# Altium PCB PCB1.PcbDoc (part 2 of 3)
Units mm, origin at the board's own origin, x right, y up, seen from the top; angles counter-clockwise.
Board outline 165.85 x 112.86 mm, 4 copper layers (Top Layer, Layer 1, Layer 2, Bottom Layer), stack 0.603 mm thick; 124 components, 136 nets, 510 pads, 68 vias.
Unrouted connection lines stored in the file: 1.
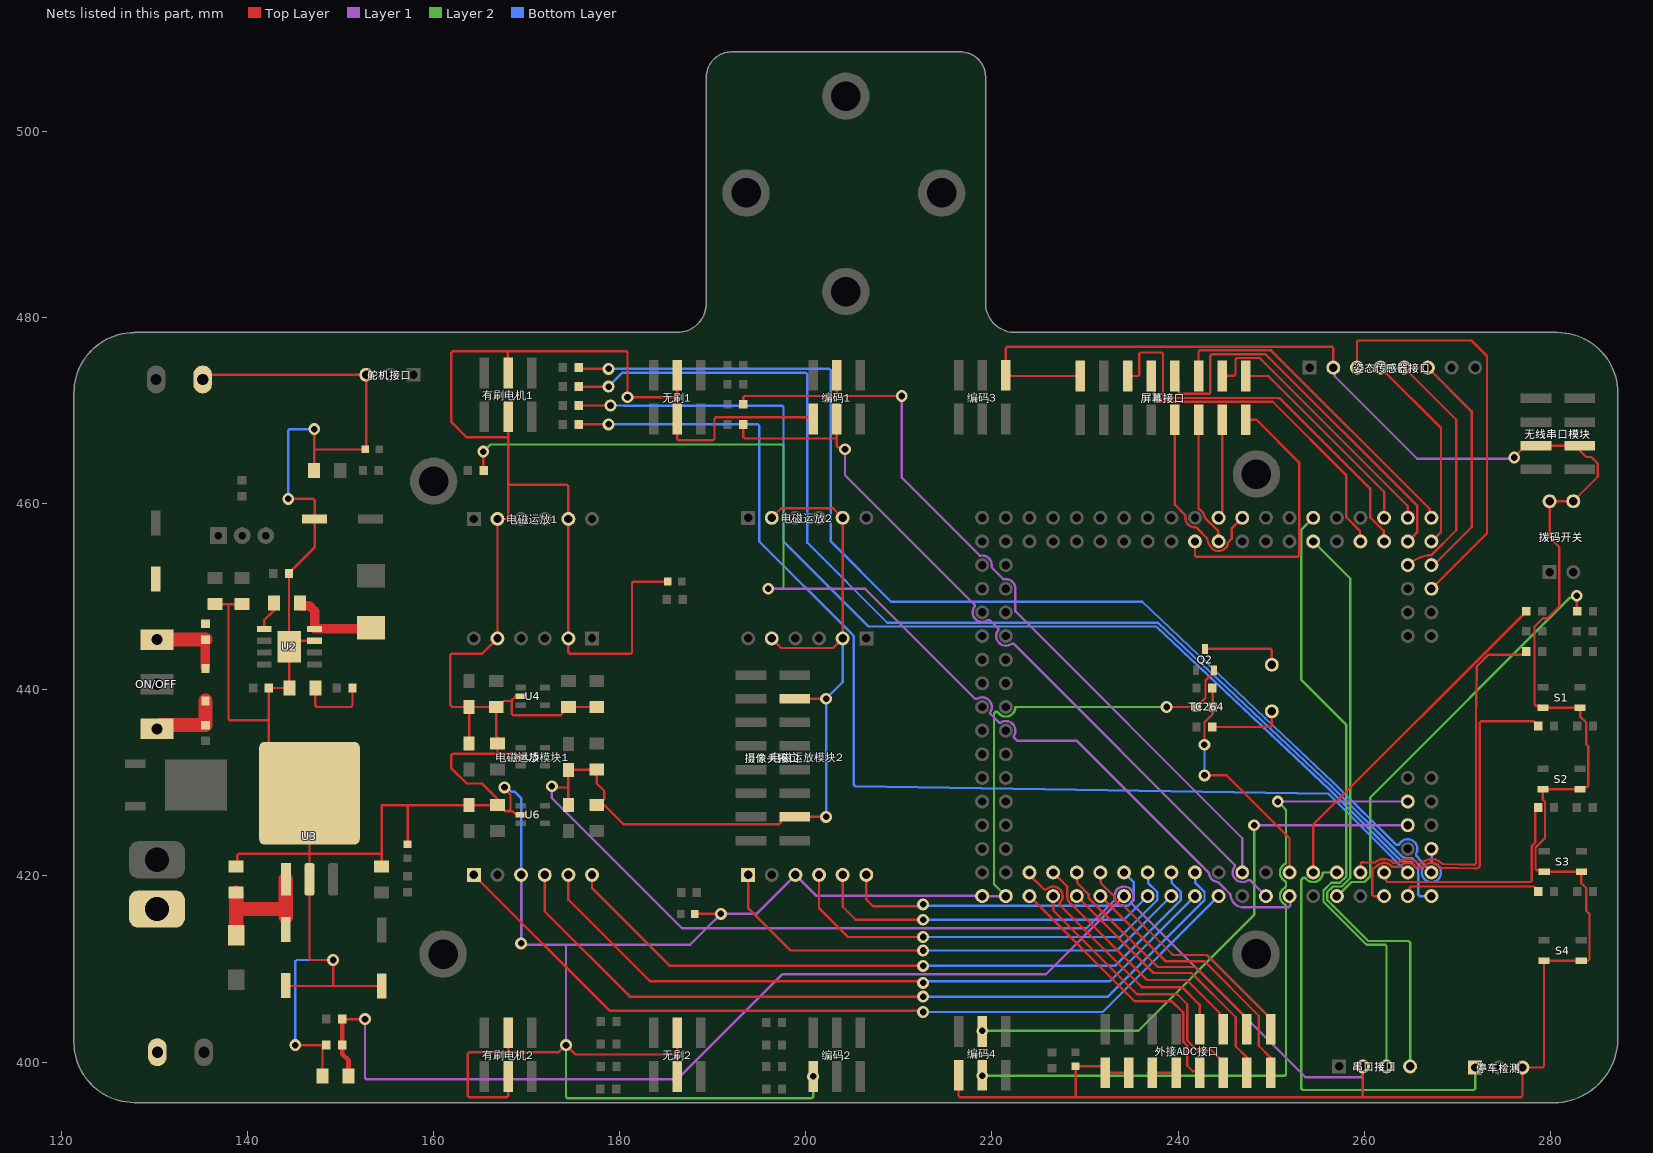
[diagram p4: the nets of this part, all layers, seen from the top]

## Via types
v1: diameter 1.27, hole 0.711, Top Layer to Bottom Layer, 68 vias

## Nets (pads, with @x,y where several pads share a name; then routed paths per layer and width w, separated by ;. In a path a pad name is that pad's centre, name@x,y a point inside that pad or via, vN(x,y) a via of type N, cw(c..) or ccw(c..) an arc to the next point about the centre after c; other vN are vias at no path point) (continued)
13.0: TC264.74 屏幕接口.9 | length 101
  Top Layer w0.254: 屏幕接口.9@239.649,469.011 239.649,459.867 240.788,458.728 240.788,458.623 ; 240.788,458.623 cw(c240.534,458.623) 240.786,458.594 ; TC264.74@246.888,458.47 245.745,457.327 245.745,456.22 245.374,455.85 ; 240.786,458.594 ccw(c241.808,458.47) 241.844,457.441 ; 240.786,458.594 ccw(c241.808,458.47) 241.844,457.441 ; 240.786,458.594 ccw(c241.808,458.47) 241.844,457.441 ; 240.786,458.594 ccw(c241.808,458.47) 241.844,457.441 ; 240.786,458.594 ccw(c241.808,458.47) 241.844,457.441 ; 240.786,458.594 ccw(c241.808,458.47) 241.844,457.441 ; 240.786,458.594 ccw(c241.808,458.47) 241.844,457.441 ; 240.786,458.594 ccw(c241.808,458.47) 241.844,457.441 ; 240.786,458.594 ccw(c241.808,458.47) 241.844,457.441 ; 240.786,458.594 ccw(c241.808,458.47) 241.844,457.441 ; 240.786,458.594 ccw(c241.808,458.47) 241.844,457.441 ; 240.786,458.594 ccw(c241.808,458.47) 241.844,457.441 ; 240.786,458.594 ccw(c241.808,458.47) 241.844,457.441 ; 240.786,458.594 ccw(c241.808,458.47) 241.844,457.441 ; 240.786,458.594 ccw(c241.808,458.47) 241.844,457.441 ; 240.786,458.594 ccw(c241.808,458.47) 241.844,457.441 ; 241.844,457.441 241.848,457.441 241.953,457.441 242.028,457.367 243.131,456.264 ; 243.131,456.264 ccw(c244.813,456.395) 243.62,455.202 ; 243.131,456.264 ccw(c244.813,456.395) 243.62,455.202 ; 243.131,456.264 ccw(c244.813,456.395) 243.62,455.202 ; 243.131,456.264 ccw(c244.813,456.395) 243.62,455.202 ; 243.131,456.264 ccw(c244.813,456.395) 243.62,455.202 ; 243.131,456.264 ccw(c244.813,456.395) 243.62,455.202 ; 243.131,456.264 ccw(c244.813,456.395) 243.62,455.202 ; 243.131,456.264 ccw(c244.813,456.395) 243.62,455.202 ; 243.131,456.264 ccw(c244.813,456.395) 243.62,455.202 ; 243.131,456.264 ccw(c244.813,456.395) 243.62,455.202 ; 243.131,456.264 ccw(c244.813,456.395) 243.62,455.202 ; 243.131,456.264 ccw(c244.813,456.395) 243.62,455.202 ; 243.131,456.264 ccw(c244.813,456.395) 243.62,455.202 ; 243.131,456.264 ccw(c244.813,456.395) 243.62,455.202 ; 243.131,456.264 ccw(c244.813,456.395) 243.62,455.202 ; 243.131,456.264 ccw(c244.813,456.395) 243.62,455.202 ; 243.62,455.202 ccw(c244.348,455.93) 245.374,455.85 ; 243.62,455.202 ccw(c244.348,455.93) 245.374,455.85 ; 243.62,455.202 ccw(c244.348,455.93) 245.374,455.85 ; 243.62,455.202 ccw(c244.348,455.93) 245.374,455.85 ; 243.62,455.202 ccw(c244.348,455.93) 245.374,455.85 ; 243.62,455.202 ccw(c244.348,455.93) 245.374,455.85 ; 243.62,455.202 ccw(c244.348,455.93) 245.374,455.85 ; 243.62,455.202 ccw(c244.348,455.93) 245.374,455.85 ; 243.62,455.202 ccw(c244.348,455.93) 245.374,455.85 ; 243.62,455.202 ccw(c244.348,455.93) 245.374,455.85 ; 243.62,455.202 ccw(c244.348,455.93) 245.374,455.85 ; 243.62,455.202 ccw(c244.348,455.93) 245.374,455.85 ; 243.62,455.202 ccw(c244.348,455.93) 245.374,455.85 ; 243.62,455.202 ccw(c244.348,455.93) 245.374,455.85 ; 243.62,455.202 ccw(c244.348,455.93) 245.374,455.85 ; 243.62,455.202 ccw(c244.348,455.93) 245.374,455.85
13.1: TC264.75 屏幕接口.11 | length 21.4
  Top Layer w0.254: 屏幕接口.11@242.189,469.011 242.189,459.48 242.263,459.406 242.289,459.38 ; TC264.75@244.348,455.93 244.301,455.977 244.301,457.061 242.9,458.462 242.836,458.526 ; 242.289,459.38 cw(c241.808,458.47) 242.836,458.526 ; 242.289,459.38 cw(c241.808,458.47) 242.836,458.526 ; 242.289,459.38 cw(c241.808,458.47) 242.836,458.526 ; 242.289,459.38 cw(c241.808,458.47) 242.836,458.526 ; 242.289,459.38 cw(c241.808,458.47) 242.836,458.526 ; 242.289,459.38 cw(c241.808,458.47) 242.836,458.526 ; 242.289,459.38 cw(c241.808,458.47) 242.836,458.526 ; 242.289,459.38 cw(c241.808,458.47) 242.836,458.526
13.2: TC264.76 屏幕接口.13 | length 10.7
  Top Layer w0.254: TC264.76@244.348,458.47 244.348,458.807 244.729,459.188 屏幕接口.13@244.729,469.011
13.3: TC264.77 屏幕接口.15 | length 30.4
  Top Layer w0.254: TC264.77@241.808,455.93 241.808,454.428 241.957,454.279 252.849,454.279 252.997,454.428 252.997,464.426 248.412,469.011 屏幕接口.15@247.269,469.011
14.0: TC264.67 串口接口.4 | length 65.8
  Layer 2 w0.254: TC264.67@254.508,455.93 258.484,451.954 258.484,419.775 257.568,418.859 256.622,418.859 256.019,418.256 256.019,417.404 260.418,413.004 264.773,413.004 264.922,412.855 串口接口.4@264.922,399.542
14.1: TC264.68 串口接口.3 | length 67
  Layer 2 w0.254: TC264.68@254.508,458.47 253.238,457.2 253.238,441.064 258.077,436.224 258.077,419.944 257.4,419.266 256.453,419.266 255.612,418.425 255.612,417.235 260.25,412.598 262.233,412.598 262.382,412.449 串口接口.3@262.382,399.542
15.0: TC264.58 屏幕接口.12 | length 35.6
  Top Layer w0.254: 屏幕接口.12@242.189,473.711 242.189,476.304 242.338,476.453 249.987,476.453 267.043,459.397 267.043,458.635 TC264.58@267.208,458.47
15.1: TC264.59 屏幕接口.10 | length 42.7
  Top Layer w0.254: 屏幕接口.10@239.649,473.711 240.032,473.328 240.032,471.93 240.181,471.782 243.31,471.782 243.459,471.93 243.459,475.898 243.608,476.047 249.377,476.047 265.697,459.727 265.697,456.959 TC264.59@264.668,455.93
15.2: TC264.60 屏幕接口.14 | length 29.5
  Top Layer w0.254: 屏幕接口.14@244.729,473.711 244.748,473.73 246.014,473.73 246.162,473.879 246.162,475.492 246.311,475.64 248.768,475.64 264.668,459.74 TC264.60@264.668,458.47
15.3: TC264.61 屏幕接口.6 | length 43.4
  Top Layer w0.254: 屏幕接口.6@234.569,473.711 235.69,473.711 235.839,473.86 235.839,476.076 235.988,476.225 238.23,476.225 238.379,476.076 238.379,471.496 238.528,471.347 250.902,471.347 260.617,461.632 260.617,458.525 262.081,457.061 262.081,455.977 TC264.61@262.128,455.93
15.4: TC264.62 屏幕接口.16 | length 22.8
  Top Layer w0.254: 屏幕接口.16@247.269,473.711 249.681,473.711 262.128,461.264 TC264.62@262.128,458.47
15.5: TC264.63 屏幕接口.8 | length 34.5
  Top Layer w0.254: 屏幕接口.8@237.109,473.711 237.442,473.378 237.442,471.089 237.591,470.94 250.166,470.94 258.077,463.029 258.077,458.525 259.541,457.061 259.541,455.977 TC264.63@259.588,455.93
20.0: TC264.44 编码4.4 | length 60.5
  Layer 1 w0.254: v1(248.158,425.438) 248.164,425.444 264.662,425.444 TC264.44@264.668,425.45
  Layer 2 w0.254: v1(218.948,403.352) 235.712,403.352 248.158,415.798 v1(248.158,425.438)
20.3: TC264.46 编码4.3 | length 77.3
  Layer 1 w0.254: v1@250.699,427.989 TC264.46@264.668,427.99
  Layer 2 w0.254: v1(218.948,398.526) 251.438,398.526 251.513,398.6 251.587,398.675 251.587,416.82 251.513,416.894 251.487,416.92 cw(c251.968,417.83) 251.487,418.74 251.513,418.766 251.587,418.84 251.587,419.36 251.513,419.434 251.487,419.46 cw(c251.968,420.37) 251.487,421.28 251.513,421.306 251.587,421.38 251.587,427.099 251.513,427.174 v1(250.698,427.988)
20.11: TC264.54 姿态传感器接口.3 | length 45
  Top Layer w0.254: 姿态传感器接口.3@259.207,474.599 259.207,477.371 259.356,477.52 271.526,477.52 273.177,475.869 273.177,456.819 TC264.54@267.208,450.85
20.12: TC264.55 姿态传感器接口.5 | length 46
  Top Layer w0.254: 姿态传感器接口.5@264.287,474.599 269.875,469.011 269.875,457.141 267.266,454.532 267.199,454.465 ; TC264.55@264.668,453.39 cw(c267.42,450.427) 267.199,454.465 ; TC264.55@264.668,453.39 cw(c267.42,450.427) 267.199,454.465 ; TC264.55@264.668,453.39 cw(c267.42,450.427) 267.199,454.465 ; TC264.55@264.668,453.39 cw(c267.42,450.427) 267.199,454.465 ; TC264.55@264.668,453.39 cw(c267.42,450.427) 267.199,454.465 ; TC264.55@264.668,453.39 cw(c267.42,450.427) 267.199,454.465 ; TC264.55@264.668,453.39 cw(c267.42,450.427) 267.199,454.465 ; TC264.55@264.668,453.39 cw(c267.42,450.427) 267.199,454.465
20.13: TC264.56 姿态传感器接口.6 | length 25.1
  Top Layer w0.254: 姿态传感器接口.6@266.827,474.599 271.526,469.9 271.526,457.454 267.462,453.39 TC264.56@267.208,453.39
20.14: TC264.57 姿态传感器接口.4 | length 21.8
  Top Layer w0.254: 姿态传感器接口.4@261.747,474.599 268.237,468.109 268.237,456.959 TC264.57@267.208,455.93
21.2: R25.1 TC264.38 | length 125.6
  Top Layer w0.254: R25.1@175.602,468.503 v1(178.816,468.503) v1@179.07,468.503
  Bottom Layer w0.254: v1(178.816,468.503) 194.852,468.503 195.001,468.354 195.001,455.933 204.69,446.244 205.159,445.775 205.159,429.783 205.233,429.708 205.306,429.636 256.152,428.821 256.224,428.749 263.105,421.863 263.41,421.558 TC264.38@264.668,420.37 TC264.38@264.593,420.395
21.3: R26.2 TC264.39 | length 123.1
  Top Layer w0.254: R26.2@175.602,470.535 178.816,470.535 v1@179.07,470.535
  Bottom Layer w0.254: v1(179.02,470.535) 180.444,470.535 180.469,470.51 197.463,470.51 197.612,470.361 197.612,455.93 206.743,446.799 237.648,446.799 256.32,429.228 263.511,422.037 ccw(c263.82,422.27) 263.582,421.964 263.584,421.963 cw(c263.426,421.764) 263.613,421.936 ccw(c264.668,422.91) 264.865,421.488 cw(c264.899,421.236) 265.078,421.416 265.714,420.78 265.788,420.706 265.788,420.601 265.788,420.582 ccw(c267.208,420.37) 265.811,420.038 265.811,417.979 265.885,417.904 265.96,417.83 TC264.39@267.208,417.83
21.4: R27.1 TC264.40 | length 125.8
  Top Layer w0.254: R27.1@175.602,474.599 175.729,474.472 v1(178.816,474.472)
  Bottom Layer w0.254: v1(178.816,474.472) 202.543,474.472 202.692,474.323 202.692,455.93 209.169,449.453 236.139,449.453 249.355,436.935 256.657,430.041 263.471,423.331 263.573,423.331 263.576,423.331 263.682,423.331 263.756,423.405 263.771,423.42 263.78,423.431 cw(c264.668,422.91) 265.546,422.373 265.546,422.305 ccw(c265.8,422.305) 265.611,422.136 266.514,421.129 TC264.40@267.208,420.37
21.5: R28.2 TC264.41 | length 130.4
  Top Layer w0.254: R28.2@175.602,472.567 v1(178.816,472.567)
  Bottom Layer w0.254: v1(178.816,472.567) 180.315,474.066 200.003,474.066 200.152,473.917 200.152,455.803 208.749,447.206 237.817,447.206 256.488,429.634 263.562,422.561 263.753,422.371 263.899,422.225 263.904,422.22 ccw(c264.668,422.91) 264.848,421.896 264.869,421.896 265.172,421.896 265.247,421.822 266.156,420.912 266.205,420.864 266.231,420.835 266.231,420.733 266.231,420.694 ccw(c267.208,420.37) 266.481,419.641 ccw(c267.098,420.26) 266.484,419.639 266.485,419.638 ccw(c267.208,420.37) 267.255,421.398 267.255,422.863 TC264.41@267.208,422.91
22.0: R35.2 TC264.34 | length 85.2
  Top Layer w0.254: TC264.34@259.588,420.37 259.588,421.208 259.588,421.287 259.588,421.314 259.662,421.388 cw(c259.842,421.208) 259.663,421.389 259.737,421.462 259.842,421.462 ; 272.061,442.388 272.004,436.641 272.001,421.354 271.852,421.205 271.745,421.205 268.431,421.277 268.012,421.56 ; R35.2@277.407,444.119 277.407,444.094 277.084,443.771 273.341,443.771 272.135,442.566 ; 259.842,421.462 cw(c259.842,421.208) 259.848,421.462 ccw(c259.842,421.208) 259.842,421.462 ; 259.842,421.462 cw(c259.842,421.208) 259.848,421.462 ; 259.842,421.462 cw(c259.842,421.208) 259.848,421.462 ; 259.842,421.462 cw(c259.842,421.208) 259.848,421.462 ; 259.842,421.462 cw(c259.842,421.208) 259.848,421.462 ; 259.842,421.462 cw(c259.842,421.208) 259.848,421.462 ; 259.842,421.462 cw(c259.842,421.208) 259.849,421.462 ; 259.849,421.462 261.067,421.436 261.073,421.436 261.166,421.436 ; 261.166,421.436 cw(c262.128,420.37) 263.137,421.391 ; 261.166,421.436 cw(c262.128,420.37) 263.137,421.391 ; 261.166,421.436 cw(c262.128,420.37) 263.137,421.391 ; 261.166,421.436 cw(c262.128,420.37) 263.137,421.391 ; 261.166,421.436 cw(c262.128,420.37) 263.137,421.391 ; 261.166,421.436 cw(c262.128,420.37) 263.137,421.391 ; 261.166,421.436 cw(c262.128,420.37) 263.137,421.391 ; 261.166,421.436 cw(c262.128,420.37) 263.137,421.391 ; 263.137,421.391 263.544,421.382 263.65,421.382 ; 263.65,421.382 cw(c264.668,420.37) 263.663,421.395 ; 263.65,421.382 cw(c264.668,420.37) 263.663,421.395 ; 263.65,421.382 cw(c264.668,420.37) 265.431,421.586 ; 263.65,421.382 cw(c264.668,420.37) 265.431,421.586 ; 263.65,421.382 cw(c264.668,420.37) 265.431,421.586 ; 263.65,421.382 cw(c264.668,420.37) 265.431,421.586 ; 263.65,421.382 cw(c264.668,420.37) 265.431,421.586 ; 263.65,421.382 cw(c264.668,420.37) 265.431,421.586 ; 263.663,421.395 cw(c264.668,420.37) 265.431,421.586 ; 263.663,421.395 cw(c264.668,420.37) 265.431,421.586 ; 265.431,421.586 265.835,421.333 266.026,421.329 266.133,421.329 266.213,421.405 ; 266.213,421.405 cw(c267.208,420.37) 268.012,421.56 ; 266.213,421.405 cw(c267.208,420.37) 268.012,421.56 ; 266.213,421.405 cw(c267.208,420.37) 268.012,421.56 ; 266.213,421.405 cw(c267.208,420.37) 268.012,421.56 ; 266.213,421.405 cw(c267.208,420.37) 268.012,421.56 ; 266.213,421.405 cw(c267.208,420.37) 268.012,421.56 ; 266.213,421.405 cw(c267.208,420.37) 268.012,421.56 ; 266.213,421.405 cw(c267.208,420.37) 268.012,421.56 ; 272.061,442.389 cw(c272.315,442.386) 272.135,442.566 ; 272.061,442.389 cw(c272.315,442.386) 272.135,442.566 ; 272.061,442.389 cw(c272.315,442.386) 272.135,442.566 ; 272.061,442.389 cw(c272.315,442.386) 272.135,442.566 ; 272.061,442.389 cw(c272.315,442.386) 272.135,442.566 ; 272.061,442.389 cw(c272.315,442.386) 272.135,442.566 ; 272.061,442.389 cw(c272.315,442.386) 272.135,442.566 ; 272.061,442.389 cw(c272.315,442.386) 272.135,442.566
22.1: R36.2 TC264.35 | length 58.6
  Top Layer w0.254: TC264.35@262.128,417.83 261.009,417.83 260.86,417.979 260.86,420.644 260.86,420.698 261.009,420.847 261.303,421.012 261.334,421.029 261.357,421.053 ; 265.415,421.078 265.413,421.08 ; 265.416,421.077 265.561,420.932 266.024,420.922 266.305,420.922 266.464,421.081 ; R36.2@278.677,436.118 278.248,436.547 278.174,436.621 272.559,436.621 272.41,436.473 272.41,421.034 272.318,420.941 272.296,420.926 272.098,420.797 271.979,420.794 271.871,420.794 268.157,420.876 267.967,421.066 267.965,421.068 267.962,421.071 ccw(c267.208,420.37) 266.466,421.084 266.465,421.082 ; 261.357,421.053 cw(c262.128,420.37) 262.859,421.095 ; 261.357,421.053 cw(c262.128,420.37) 262.859,421.095 ; 261.357,421.053 cw(c262.128,420.37) 262.859,421.095 ; 261.357,421.053 cw(c262.128,420.37) 262.859,421.095 ; 261.357,421.053 cw(c262.128,420.37) 262.859,421.095 ; 261.357,421.053 cw(c262.128,420.37) 262.859,421.095 ; 262.859,421.095 262.862,421.091 262.965,420.988 263.542,420.976 263.818,420.976 263.936,421.094 ; 263.936,421.094 cw(c264.668,420.37) 265.413,421.08 ; 263.936,421.094 cw(c264.668,420.37) 265.413,421.08 ; 263.936,421.094 cw(c264.668,420.37) 265.413,421.08 ; 263.936,421.094 cw(c264.668,420.37) 265.413,421.08 ; 263.936,421.094 cw(c264.668,420.37) 265.413,421.08 ; 263.936,421.094 cw(c264.668,420.37) 265.413,421.08 ; 263.936,421.094 cw(c264.668,420.37) 265.413,421.08 ; 263.936,421.094 cw(c264.668,420.37) 265.413,421.08 ; 266.464,421.081 ccw(c266.176,421.369) 266.465,421.082 ; 266.464,421.081 ccw(c266.176,421.369) 266.465,421.082 ; 266.464,421.081 ccw(c266.176,421.369) 266.465,421.082 ; 266.464,421.081 ccw(c266.176,421.369) 266.465,421.082 ; 266.464,421.081 ccw(c266.176,421.369) 266.465,421.082 ; 266.464,421.081 ccw(c266.176,421.369) 266.465,421.082 ; 266.464,421.081 ccw(c266.176,421.369) 266.465,421.082 ; 266.464,421.081 ccw(c266.176,421.369) 266.465,421.082
22.2: R37.2 TC264.36 | length 24.9
  Top Layer w0.254: TC264.36@262.128,420.37 262.339,420.159 262.339,419.489 262.488,419.341 277.829,419.341 277.978,419.489 277.978,423.213 278.354,423.589 278.354,427.032 R37.2@278.677,427.355
22.3: R38.2 TC264.37 | length 15.1
  Top Layer w0.254: TC264.37@264.668,417.83 264.879,418.041 264.879,418.711 265.028,418.859 278.205,418.859 278.354,418.711 278.354,418.661 R38.2@278.677,418.338
32.4: TC264.32 停车检测.1 | length 48.1
  Layer 2 w0.254: TC264.32@257.048,420.37 255.537,420.37 cw(c254.508,420.37) 255.495,420.079 cw(c254.508,420.37) 253.693,419.742 ccw(c253.492,419.586) 253.646,419.788 253.633,419.788 253.42,419.788 253.241,419.609 253.241,397.151 253.39,397.002 271.758,397.002 271.907,397.151 停车检测.1@271.907,399.415
33.6: R39.1 TC264.24 编码1.4 | length 86.9
  Top Layer w0.254: R39.1@193.296,470.662 193.296,471.402 193.445,471.551 203.253,471.551 ; 编码1.4@203.327,473.774 203.327,471.551 v1(210.312,471.551)
  Layer 1 w0.254: v1(210.312,471.551) 210.312,462.788 218.69,454.41 218.795,454.41 218.811,454.41 cw(c218.948,453.39) 219.968,453.253 219.968,453.237 219.968,453.132 221.23,451.87 221.335,451.87 ; 221.335,451.87 221.351,451.87 cw(c221.488,450.85) 222.508,450.713 222.508,450.697 ; 222.508,450.697 222.508,448.538 222.508,448.447 222.511,448.43 246.888,424.053 TC264.24@246.888,420.37
33.7: R40.2 TC264.25 编码1.3 | length 85.2
  Top Layer w0.254: R40.2@193.294,468.503 193.294,467.142 193.443,466.994 203.327,466.994 ; 编码1.3@203.327,469.074 203.327,466.994 ; v1(204.216,465.836) 204.027,466.025 203.476,466.025 203.327,466.173 203.327,466.994
  Layer 1 w0.254: v1(204.216,465.836) 204.216,463.042 218.133,449.125 218.133,449.02 218.133,448.939 ccw(c218.948,448.31) 219.577,447.495 219.658,447.495 219.763,447.495 220.459,446.799 220.673,446.585 220.673,446.48 220.673,446.399 ccw(c221.488,445.77) 222.117,444.955 222.198,444.955 222.303,444.955 245.378,421.88 246.073,421.185 246.073,421.08 246.073,420.999 ccw(c246.888,420.37) 247.517,419.555 247.598,419.555 247.703,419.555 248.252,419.006 TC264.25@249.428,417.83
33.9: R9.1 TC264.27 | length 125.1
  Top Layer w0.254: v1@165.361,465.575 165.361,463.606 R9.1@165.41,463.557
  Layer 1 w0.254: v1(195.961,450.85) 206.375,450.85 218.212,439.013 218.317,439.013 218.388,439.013 cw(c218.948,438.15) 219.844,437.644 cw(c218.948,438.15) 219.811,437.59 219.811,437.519 219.811,437.414 220.752,436.473 220.857,436.473 220.928,436.473 cw(c221.488,435.61) 222.351,435.05 222.351,434.979 222.351,434.874 222.719,434.506 229.128,434.506 242.834,420.799 242.837,420.796 243.32,420.314 ccw(c244.348,420.37) 244.292,419.342 244.655,418.979 245.552,418.082 245.618,418.016 ccw(c247.159,418.101) 246.069,417.007 ccw(c246.958,417.9) 246.884,416.642 ccw(c246.897,416.896) 246.895,416.642 251.879,416.642 252.028,416.791 252.028,417.77 TC264.27@251.968,417.83
  Layer 2 w0.254: v1(165.354,465.582) 166.116,466.344 197.463,466.344 197.612,466.195 197.612,450.999 197.463,450.85 v1(195.961,450.85)
33.10: R23.1 R24.1 TC264.28 | length 25.4
  Top Layer w0.254: v1(242.824,434.086) 242.824,436.499 243.713,437.388 243.713,440.143 R23.1@243.674,440.182 ; v1(242.832,430.797) 245.224,430.797 251.968,424.053 TC264.28@251.968,420.37
  Bottom Layer w0.254: v1(242.824,434.086) 242.828,434.082 242.828,430.801 v1(242.832,430.797)
33.12: R33.2 TC264.30 | length 37.6
  Top Layer w0.254: TC264.30@254.508,420.37 254.508,425.513 277.407,448.412 R33.2@277.407,448.437
33.13: R34.2 TC264.31 | length 45.8
  Top Layer w0.254: v1(282.829,450.088) 282.829,448.951 282.868,448.912 R34.2@282.868,448.437
  Layer 2 w0.254: TC264.31@257.048,417.83 257.113,417.83 258.624,419.341 260.014,419.341 260.617,419.944 260.617,428.408 282.103,449.894 282.635,449.894 v1(282.829,450.088)
A0: TC264.21 电磁运放模块1.7 | length 91.3
  Top Layer w0.254: 电磁运放模块1.7@164.338,420.116 178.956,405.498 212.484,405.498 v1(212.598,405.384)
  Bottom Layer w0.254: v1(212.598,405.384) 231.902,405.384 TC264.21@244.348,417.83
A1: TC264.20 电磁运放模块1.10 | length 86.3
  Top Layer w0.254: 电磁运放模块1.10@171.958,420.116 171.958,416.179 181.102,407.035 v1(212.598,407.035)
  Bottom Layer w0.254: v1(212.598,407.035) 232.469,407.035 242.837,417.404 242.837,418.256 241.855,419.239 241.855,420.323 TC264.20@241.808,420.37
A2: TC264.19 电磁运放模块1.11 | length 77.5
  Top Layer w0.254: 电磁运放模块1.11@174.498,420.116 174.498,417.449 183.261,408.686 212.42,408.686 v1(212.598,408.508)
  Bottom Layer w0.254: v1(212.598,408.508) 212.776,408.686 232.664,408.686 TC264.19@241.808,417.83
A3: TC264.18 电磁运放模块1.12 | length 74.4
  Top Layer w0.254: 电磁运放模块1.12@177.038,420.116 177.038,418.719 185.42,410.337 v1(212.598,410.337)
  Bottom Layer w0.254: v1(212.598,410.337) 233.231,410.337 240.297,417.404 240.297,418.256 239.315,419.239 239.315,420.323 TC264.18@239.268,420.37
A4: TC264.17 电磁运放模块2.7 | length 53.3
  Top Layer w0.254: 电磁运放模块2.7@193.802,420.116 193.802,416.56 198.374,411.988 v1(212.598,411.988)
  Bottom Layer w0.254: v1(212.598,411.988) 233.426,411.988 TC264.17@239.268,417.83
A5: TC264.16 电磁运放模块2.10 | length 46.2
  Top Layer w0.254: 电磁运放模块2.10@201.422,420.116 201.422,416.56 204.547,413.435 v1(212.598,413.435)
  Bottom Layer w0.254: v1(212.598,413.435) 233.788,413.435 237.757,417.404 237.757,418.256 236.775,419.239 236.775,420.323 TC264.16@236.728,420.37
A6: TC264.15 电磁运放模块2.11 | length 37.8
  Top Layer w0.254: 电磁运放模块2.11@203.962,420.116 203.962,416.687 205.359,415.29 v1(212.598,415.29)
  Bottom Layer w0.254: v1(212.598,415.29) 234.188,415.29 TC264.15@236.728,417.83
A7: TC264.14 电磁运放模块2.12 | length 35.4
  Top Layer w0.254: 电磁运放模块2.12@206.502,420.116 206.502,417.471 207.226,416.747 212.404,416.747 v1(212.598,416.941)
  Bottom Layer w0.254: v1(212.598,416.941) 212.738,416.801 234.614,416.801 235.217,417.404 235.217,419.341 TC264.14@234.188,420.37
A8: C25.1 R20.2 R21.1 TC264.13 | length 104.9
  Top Layer w0.254: R20.2@150.202,404.622 v1(152.654,404.622)
  Top Layer w0.508: R20.2@150.202,404.622 R21.1@150.202,401.828 150.202,400.851 150.879,400.174 C25.1@150.879,398.526
  Layer 1 w0.254: v1(152.654,404.622) 152.654,398.294 152.803,398.145 186.182,398.145 197.46,409.423 225.781,409.423 TC264.13@234.188,417.83
A10: TC264.12 外接ADC接口.16 | length 29.7
  Top Layer w0.254: TC264.12@231.648,420.37 231.695,420.323 231.695,419.239 232.822,418.112 233.16,417.774 ; 外接ADC接口.16@249.936,403.543 249.936,404.683 243.117,411.502 239.432,411.502 239.357,411.577 234.132,416.802 ; 233.16,417.774 ccw(c234.188,417.83) 234.132,416.802 ; 233.16,417.774 ccw(c234.188,417.83) 234.132,416.802 ; 233.16,417.774 ccw(c234.188,417.83) 234.132,416.802
A11: TC264.11 外接ADC接口.15 | length 29
  Top Layer w0.254: TC264.11@231.648,417.83 238.633,410.845 242.802,410.845 248.666,404.981 248.666,401.763 249.936,400.493 外接ADC接口.15@249.936,398.843
A12: TC264.10 外接ADC接口.14 | length 26.8
  Top Layer w0.254: TC264.10@229.108,420.37 229.155,420.323 229.155,419.239 230.378,418.016 230.378,417.644 237.812,410.21 241.869,410.21 247.396,404.683 外接ADC接口.14@247.396,403.543
A13: TC264.9 外接ADC接口.13 | length 28.9
  Top Layer w0.254: TC264.9@229.108,417.83 237.363,409.575 241.427,409.575 246.189,404.812 246.189,401.699 247.396,400.493 外接ADC接口.13@247.396,398.843
A16: TC264.8 外接ADC接口.12 | length 28.4
  Top Layer w0.254: TC264.8@226.568,420.37 228.079,418.859 228.079,418.044 ccw(c229.62,418.042) 228.082,417.943 cw(c227.828,417.927) 228.082,417.909 ccw(c229.108,417.83) 228.438,417.049 ; 228.531,416.951 236.669,408.813 240.919,408.813 244.473,405.259 244.473,403.926 外接ADC接口.12@244.856,403.543 ; 228.438,417.049 cw(c228.272,416.856) 228.462,417.025 ; 228.438,417.049 cw(c228.272,416.856) 228.462,417.025 ; 228.462,417.025 ccw(c229.62,418.042) 228.531,416.952 ; 228.462,417.025 ccw(c229.62,418.042) 228.531,416.952 ; 228.462,417.025 ccw(c229.62,418.042) 228.531,416.952 ; 228.462,417.025 ccw(c229.62,418.042) 228.531,416.952 ; 228.462,417.025 ccw(c229.62,418.042) 228.531,416.952 ; 228.462,417.025 ccw(c229.62,418.042) 228.531,416.952 ; 228.462,417.025 ccw(c229.62,418.042) 228.531,416.952 ; 228.462,417.025 ccw(c229.62,418.042) 228.531,416.952 ; 228.462,417.025 ccw(c229.62,418.042) 228.531,416.952 ; 228.462,417.025 ccw(c229.62,418.042) 228.531,416.952 ; 228.462,417.025 ccw(c229.62,418.042) 228.531,416.952 ; 228.462,417.025 ccw(c229.62,418.042) 228.531,416.952 ; 228.462,417.025 ccw(c229.62,418.042) 228.531,416.952 ; 228.462,417.025 ccw(c229.62,418.042) 228.531,416.952 ; 228.462,417.025 ccw(c229.62,418.042) 228.531,416.952 ; 228.462,417.025 ccw(c229.62,418.042) 228.531,416.952
A17: TC264.7 外接ADC接口.11 | length 30
  Top Layer w0.254: TC264.7@226.568,417.83 226.568,416.306 235.585,407.289 239.903,407.289 240.972,406.22 240.972,402.332 241.984,401.32 243.519,401.32 244.856,399.983 外接ADC接口.11@244.856,398.843
A20: TC264.6 外接ADC接口.10 | length 77.8
  Top Layer w0.254: TC264.6@224.028,420.37 224.028,420.116 225.609,418.535 225.715,418.535 225.818,418.535 ; 外接ADC接口.10@242.316,403.543 242.316,406.146 240.411,408.051 236.093,408.051 234.794,409.35 227.273,416.871 227.273,416.977 227.273,417.08 ; 225.818,418.535 cw(c226.568,417.83) 227.273,417.08 ; 225.818,418.535 cw(c226.568,417.83) 227.273,417.08 ; 225.818,418.535 cw(c226.568,417.83) 227.273,417.08 ; 225.818,418.535 cw(c226.568,417.83) 227.273,417.08 ; 225.818,418.535 cw(c226.568,417.83) 227.273,417.08 ; 225.818,418.535 cw(c226.568,417.83) 227.273,417.08 ; 225.818,418.535 cw(c226.568,417.83) 227.273,417.08 ; 225.818,418.535 cw(c226.568,417.83) 227.273,417.08 ; 225.818,418.535 cw(c226.568,417.83) 227.273,417.08 ; 225.818,418.535 cw(c226.568,417.83) 227.273,417.08 ; 225.818,418.535 cw(c226.568,417.83) 227.273,417.08 ; 225.818,418.535 cw(c226.568,417.83) 227.273,417.08 ; 225.818,418.535 cw(c226.568,417.83) 227.273,417.08 ; 225.818,418.535 cw(c226.568,417.83) 227.273,417.08 ; 225.818,418.535 cw(c226.568,417.83) 227.273,417.08 ; 225.818,418.535 cw(c226.568,417.83) 227.273,417.08
A21: TC264.5 外接ADC接口.9 | length 29.2
  Top Layer w0.254: TC264.5@224.028,417.83 235.331,406.527 239.347,406.527 240.565,405.309 240.565,402.164 240.972,401.757 240.972,399.616 241.574,399.014 242.145,399.014 外接ADC接口.9@242.316,398.843
GND: C1.2 C2.1 C3.1 C5.1 C6.2 C7.1 C9.2 C10.1 C11.2 C12.1 C13.2 C14.2 C15.2 C16.2 C17.1 C18.1 C19.2 C20.1 C21.1 C22.1 C23.2 C24.1 C25.2 LED3v3.C LED5V.C LEDCAM.C LEDOP.C LEDSteer.C Q2.2 R2.1 R3.1 R7.1 R21.2 R24.2 S1.1 S2.1 S3.1 S4.1 TC264.1 TC264.3 U2.0 U2.7 U3.2 U4.2 U5.2 U6.2 串口接口.2 停车检测.3 外接ADC接口.1 外接ADC接口.3 外接ADC接口.5 外接ADC接口.7 姿态传感器接口.2 屏幕接口.2 拨码开关.3 拨码开关.4 摄像头接口.4 摄像头接口.14 无刷1.3 无刷1.4 无刷2.3 无刷2.4 无线串口模块.5 无线串口模块.6 有刷电机1.3 有刷电机1.4 有刷电机2.3 有刷电机2.4 电机接口2.2 电机电源1.2 电源供电.2 电磁运放1.2 电磁运放1.5 电磁运放2.2 电磁运放2.5 电磁运放模块1.2 电磁运放模块1.5 电磁运放模块1.9 电磁运放模块2.2 电磁运放模块2.5 电磁运放模块2.9 编码1.1 编码2.1 编码3.1 编码4.1 舵机接口.3 | length 1067.2
  Top Layer w0.254: 电源供电.2@130.302,416.433 电源供电.2@130.342,416.393 ; 电机接口2.2@135.215,473.329 135.723,473.837 舵机接口.3@152.781,473.837 152.781,465.951 LEDSteer.C@152.666,465.836 ; R2.1@135.509,447.089 R2.1@135.534,447.089 ; C2.1@136.525,449.196 137.986,449.196 ; C10.1@138.811,421.008 138.938,421.135 138.938,422.231 139.087,422.38 146.685,422.38 ; C3.1@139.446,449.196 137.986,449.196 ; U3.2@142.328,433.236 142.328,436.709 ; C9.2@144.145,408.226 144.193,408.178 149.312,408.178 ; v1(144.399,460.502) 147.092,460.502 147.241,460.353 C6.2@147.241,458.343 147.241,455.28 144.487,452.526 R7.1@144.487,452.501 144.487,445.262 U2.7@147.226,445.262 ; U2.0@144.487,444.216 U2.0@144.52,444.183 ; U2.0@144.52,444.621 U2.0@144.526,444.627 ; U2.0@144.526,444.177 U2.0@144.52,444.183 ; v1(145.161,401.828) R21.2@148.082,401.828 ; U3.2@146.685,428.879 146.685,422.38 ; C5.1@147.19,463.55 147.19,464.35 147.193,464.353 147.193,465.811 ; v1(147.193,467.995) 147.193,465.811 ; C25.2@148.079,398.526 148.079,401.825 R21.2@148.082,401.828 ; R21.2@148.502,401.828 R21.2@148.082,401.828 ; LEDSteer.C@152.666,465.811 147.193,465.811 ; C11.2@154.432,408.178 149.312,408.178 ; C12.1@154.432,421.011 154.432,422.402 ; LED5V.C@157.226,423.406 157.226,427.609 ; C17.1@163.83,434.216 C13.2@163.83,438.147 ; v1(167.64,429.514) 167.64,429.347 168.275,428.712 168.275,427.164 168.073,426.962 ; 有刷电机2.4@168.021,398.462 168.021,396.389 167.872,396.24 163.852,396.24 163.703,396.389 163.703,400.917 163.852,401.066 168.021,401.066 ; 有刷电机2.3@168.021,403.162 168.021,401.066 ; 168.021,467.081 168.021,462.026 ; 有刷电机1.3@168.021,469.328 168.021,467.106 163.576,467.106 161.925,468.757 161.925,476.228 162.074,476.377 167.979,476.377 ; 有刷电机1.4@168.021,474.028 167.979,474.07 167.979,476.377 ; U6.2@169.388,426.593 168.838,426.593 168.469,426.962 168.073,426.962 ; U5.2@169.388,432.816 169.138,432.816 168.838,433.116 166.878,433.116 ; U4.2@169.388,439.293 168.838,439.293 168.342,438.797 ; v1(172.72,429.641) 172.858,429.503 174.498,429.503 ; C23.2@174.498,427.615 174.498,429.503 ; C24.1@177.546,427.612 C24.1@177.696,427.612 ; C16.2@177.546,438.147 174.348,438.147 173.825,437.624 173.825,437.41 173.676,437.261 168.551,437.261 168.402,437.41 168.402,438.737 168.342,438.797 ; LEDCAM.C@185.166,451.612 181.484,451.612 181.335,451.463 181.335,444.014 181.186,443.865 174.647,443.865 174.498,444.014 电磁运放模块1.2@174.498,445.516 电磁运放1.5@174.498,458.343 174.498,461.877 174.349,462.026 168.021,462.026 ; 无刷2.4@186.182,398.462 186.182,400.812 ; 无刷2.3@186.182,403.162 186.182,400.812 ; 无刷1.4@186.182,473.774 186.182,471.424 ; LEDOP.C@188.075,415.925 v1(190.881,415.925) ; 电磁运放模块2.5@196.342,445.516 197.371,444.487 202.933,444.487 电磁运放模块2.2@203.962,445.516 电磁运放2.5@203.962,458.47 202.933,459.499 197.371,459.499 电磁运放2.2@196.342,458.47 ; 摄像头接口.4@198.819,439.039 v1(202.184,439.039) ; 编码1.1@200.787,469.074 200.604,469.257 190.337,469.257 190.188,469.109 190.188,466.97 190.039,466.821 186.331,466.821 186.182,466.97 无刷1.3@186.182,469.074 186.182,471.424 ; v1(202.184,426.339) 摄像头接口.14@198.819,426.339 197.679,426.339 197.296,425.956 197.296,425.698 197.147,425.55 180.408,425.55 178.346,427.612 C24.1@177.696,427.612 ; 编码4.1@216.408,398.589 216.408,396.389 216.557,396.24 228.981,396.24 ; 屏幕接口.2@229.489,473.711 222.061,473.711 221.998,473.774 编码3.1@221.488,473.774 221.488,476.711 221.637,476.86 256.518,476.86 256.667,476.711 姿态传感器接口.2@256.667,474.599 ; 外接ADC接口.3@234.696,398.843 外接ADC接口.1@232.156,398.843 232.156,399.159 231.773,399.542 LED3v3.C@228.981,399.542 228.981,396.24 ; 外接ADC接口.5@236.726,398.843 外接ADC接口.5@237.236,398.843 外接ADC接口.7@239.776,398.843 ; v1(238.76,438.15) R24.2@242.013,438.15 242.013,438.175 242.945,439.107 242.945,440.992 243.84,441.887 Q2.2@243.84,442.087 ; 259.82,396.24 259.842,396.262 串口接口.2@259.842,399.542 ; v1(276.098,464.947) 276.098,465.008 277.307,466.217 无线串口模块.5@278.447,466.217 无线串口模块.6@283.147,466.217 283.147,465.707 283.849,465.005 284.374,465.005 285.076,464.303 285.076,462.876 拨码开关.3@282.448,460.248 拨码开关.4@279.908,460.248 279.908,456.351 280.937,455.322 280.937,448.947 279.673,447.683 279.191,447.683 278.277,446.768 278.277,438.438 278.426,438.289 278.955,438.289 S1.1@279.178,438.066 S1.1@283.178,438.066 283.178,437.128 283.839,436.468 283.839,435.527 283.845,435.521 283.845,434.149 284.057,433.937 284.057,429.675 283.909,429.526 283.401,429.526 S2.1@283.178,429.303 S2.1@279.178,429.303 279.178,428.174 279.406,427.946 279.406,424.067 278.384,423.044 278.384,420.777 278.533,420.629 279.127,420.629 S3.1@279.32,420.435 S3.1@283.32,420.435 283.32,419.206 283.839,418.688 283.839,416.268 284.184,415.922 284.184,411.057 284.015,410.888 S4.1@283.305,410.888 S4.1@279.305,410.888 279.305,399.564 279.156,399.415 停车检测.3@276.987,399.415 276.987,396.389 276.838,396.24 228.981,396.24 ; 137.986,449.196 137.986,436.858 138.134,436.709 142.328,436.709 ; 142.328,436.709 R3.1@142.328,440.182 C7.1@144.52,440.182 U2.0@144.52,444.183 ; 146.685,422.38 154.41,422.38 154.432,422.402 ; 146.685,422.38 U3.2@146.685,419.633 146.685,411.121 146.834,410.972 v1(149.225,410.972) 149.225,408.265 149.312,408.178 ; 154.432,422.402 154.432,427.609 157.226,427.609 ; 157.226,427.609 C21.1@163.83,427.609 166.075,427.609 166.078,427.612 C22.1@166.878,427.612 ; C13.2@163.83,438.147 163.23,438.147 163.227,438.15 162.052,438.15 161.798,438.404 161.798,443.716 161.947,443.865 165.227,443.865 电磁运放模块1.5@166.878,445.516 电磁运放1.2@166.878,458.343 167.872,458.343 168.021,458.492 168.021,462.026 ; C13.2@163.83,438.147 C14.2@166.751,438.147 ; C14.2@166.751,438.147 166.751,434.993 166.878,434.866 166.878,433.116 ; C14.2@166.751,438.147 166.901,438.147 167.551,438.797 168.342,438.797 ; C22.1@166.878,427.612 166.878,428.262 165.21,429.93 163.571,429.93 161.903,431.598 161.903,432.921 162.098,433.116 166.878,433.116 ; C22.1@166.878,427.612 167.028,427.612 167.678,426.962 168.073,426.962 ; 167.979,476.377 180.699,476.377 180.848,476.228 v1(180.848,471.424) 186.182,471.424 ; 168.021,401.066 173.446,401.066 174.208,401.828 v1(174.244,401.828) 175.26,400.812 186.182,400.812 ; 174.498,429.503 C19.2@174.498,431.391 176.696,431.391 176.746,431.441 C20.1@177.546,431.441 177.546,429.926 178.346,429.126 178.346,428.262 C24.1@177.696,427.612
  Layer 1 w0.254: 电磁运放模块1.9@169.418,420.116 v1(169.418,412.75) 169.545,412.623 174.244,412.623 ; v1(172.72,429.641) 172.72,428.371 186.715,414.376 189.332,414.376 ; v1(174.244,401.828) 174.244,412.623 ; TC264.3@221.488,417.83 TC264.1@218.948,417.83 218.923,417.855 201.143,417.855 电磁运放模块2.9@198.882,420.116 194.691,415.925 v1(190.881,415.925) 189.332,414.376 ; 姿态传感器接口.2@256.667,474.599 256.832,474.434 256.832,473.672 265.684,464.82 275.971,464.82 v1(276.098,464.947) ; 串口接口.2@259.842,399.542 259.842,398.537 259.693,398.388 253.653,398.388 244.309,407.733 235.012,417.029 235.012,417.134 235.012,417.213 ccw(c234.188,417.83) 234.915,418.559 ccw(c234.188,417.83) 233.197,417.552 233.197,417.519 233.197,417.414 230.159,414.376 189.332,414.376 ; 174.244,412.623 187.579,412.623 189.332,414.376
  Layer 2 w0.254: v1(174.244,401.828) 174.244,396.262 174.393,396.113 200.638,396.113 200.787,396.262 v1(200.787,398.462) ; TC264.3@221.488,417.83 220.292,419.026 220.218,419.1 220.218,437.471 220.292,437.545 220.367,437.62 220.472,437.62 220.577,437.62 220.652,437.545 220.664,437.533 ccw(c221.488,438.15) 222.517,438.15 v1(238.76,438.15)
  Bottom Layer w0.254: v1(144.399,460.502) 144.399,467.846 144.548,467.995 v1(147.193,467.995) ; v1(145.161,401.828) 145.161,410.823 145.31,410.972 v1(149.225,410.972) ; v1(167.64,429.514) 167.915,429.514 168.406,429.023 168.766,429.023 169.418,428.371 电磁运放模块1.9@169.418,420.116 v1(169.418,412.75) ; v1(202.184,426.339) v1(202.184,439.039) 203.962,440.817 电磁运放模块2.2@203.962,445.516
NetB1_1: Beep.1 R22.2 | length 8
  Top Layer w0.254: R22.2@243.674,435.991 249.914,435.991 250.063,436.14 Beep.1@250.063,437.682
NetB1_2: Beep.2 Q2.3 | length 8.8
  Top Layer w0.254: Q2.3@242.89,444.387 249.914,444.387 250.063,444.238 Beep.2@250.063,442.682
NetC4_1: C4.1 U2.1 | length 3.2
  Top Layer w0.254: U2.1@141.826,446.532 141.826,447.48 142.872,448.526 C4.1@142.872,449.326
NetC4_2: C4.2 L1.1 U2.8 | length 9.8
  Top Layer w1.016: C4.2@145.672,449.326 145.672,449.176 145.814,449.034 146.652,449.034 147.247,448.439 U2.8@147.247,446.715 ; U2.8@147.226,446.532 L1.1@153.289,446.532
NetC7_2: C7.2 R4.2 | length 7.9
  Top Layer w0.254: C7.2@147.32,440.182 147.32,438.299 147.469,438.15 151.157,438.15 151.306,438.299 R4.2@151.306,440.182
NetC9_1: C9.1 C10.2 D2.K U3.1 | length 15.3
  Top Layer w0.254: C9.1@144.145,414.226 144.145,415.576
  Top Layer w1.524: D2.K@138.811,413.626 138.811,416.433 ; C10.2@138.811,418.208 138.811,416.433 ; 144.145,415.576 144.145,416.433 ; U3.1@144.145,419.633 144.145,416.433 ; 138.811,416.433 144.145,416.433
NetD1_A: D1.A ON/OFF.3 R2.2 | length 8.3
  Top Layer w1.016: D1.A@135.509,442.313 135.509,442.813 R2.2@135.509,445.389
  Top Layer w1.524: ON/OFF.3@130.302,445.389 R2.2@135.509,445.389
NetD1_K: D1.K ON/OFF.1 R1.2 | length 8
  Top Layer w1.016: ON/OFF.1@130.302,435.789 ON/OFF.1@130.719,436.206
  Top Layer w1.524: ON/OFF.1@130.719,436.206 R1.2@135.509,436.206 135.509,438.313 D1.K@135.509,438.813